# Altium PCB ADCS.PcbDoc (part 2 of 2)
Units mm, origin at the board's own origin, x right, y up, seen from the top; angles counter-clockwise.
Board outline 80 x 80 mm, 2 copper layers (Top Layer, Bottom Layer); 100 components, 89 nets, 454 pads, 285 vias.
Unrouted connection lines stored in the file: 6.
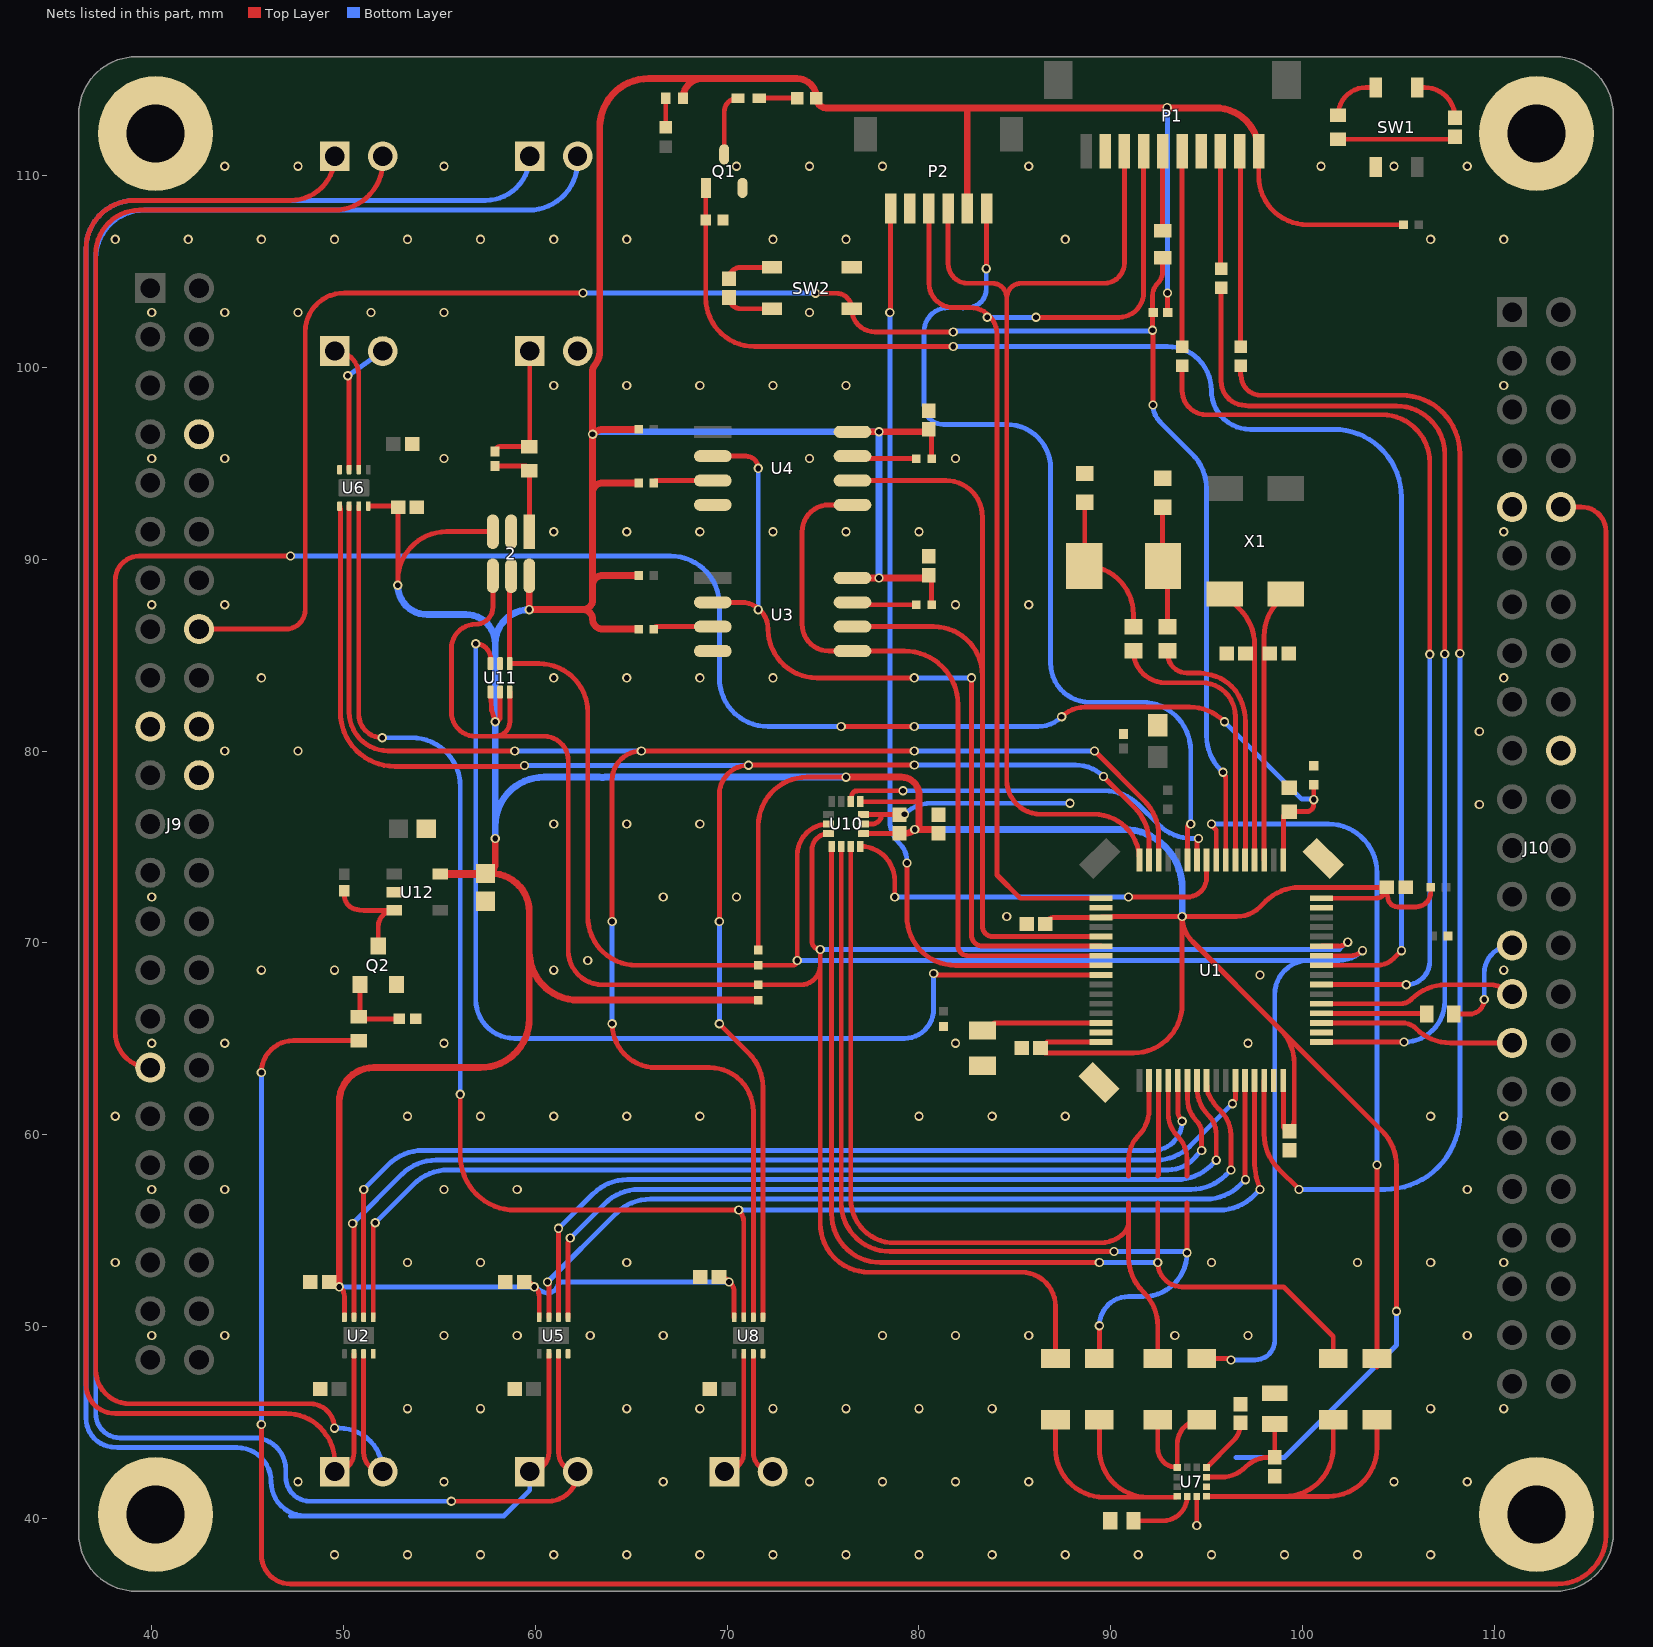
[diagram p2: the nets of this part, all layers, seen from the top]

## Via types
v1: diameter 0.483, hole 0.305, Top Layer to Bottom Layer, tented both sides, 273 vias
v2: diameter 0.5, hole 0.2, Top Layer to Bottom Layer, tented both sides, 8 vias
v3: diameter 0.483, hole 0.305, Top Layer to Bottom Layer, 4 vias

## Nets (pads, with @x,y where several pads share a name; then routed paths per layer and width w, separated by ;. In a path a pad name is that pad's centre, name@x,y a point inside that pad or via, vN(x,y) a via of type N, cw(c..) or ccw(c..) an arc to the next point about the centre after c; other vN are vias at no path point) (continued)
GND: 2.2 C3.2 C4.1 C5.1 C6.2 C7.1 C8.1 C9.1 C10.1 C11.2 C12.1 C13.1 C14.2 C15.2 C17.2 C18.1 C19.2 C20.2 C21.1 C22.2 C23.2 C24.2 C25.1 C26.2 C27.2 C28.2 C30.1 C31.2 C32.2 C33.2 C34.2 C35.2 J7.2 J9.8 J9.19 J9.20 J9.22 J10.9 J10.20 P1.4 P1.9 P2.5 pad.1 pad.2 pad.3 pad.4 pad.6@89.392,62.722 pad.6@101.076,74.406 Q1.2 Q2.2 R18.1 R19.1 R36.1 SW1.1 SW2.2 U1.18 U1.31 U1.47 U1.63 U2.4 U3.4 U4.4 U5.4 U6.4 U7.6 U7.8 U8.4 U10.6 U10.7 U11.2 U12.2 | length 13.6
  Top Layer w0.254: U10.6@77.113,76.2 77.553,76.2 ccw(c77.553,76.7) 78.053,76.7 ; U10.7@77.113,76.7 78.053,76.7 ; C31.2@78.994,76.69 78.994,76.7 78.053,76.7 ; v1(94.488,39.624) 94.484,39.624 U7.6@94.484,41.136 U7.6@94.53,41.196 ; U7.8@94.937,41.602 U7.8@94.997,41.648
  Bottom Layer w0.254: v1(79.248,76.708) cw(c80.628,75.328) 80.628,77.279 v1(87.884,77.279)
  other v1: 49.53,38.1 53.34,38.1 57.15,38.1 60.96,38.1 64.77,38.1 68.58,38.1 72.39,38.1 76.2,38.1 80.01,38.1 83.82,38.1 87.63,38.1 91.44,38.1 95.25,38.1 99.06,38.1 102.87,38.1 106.68,38.1 47.625,41.91 55.245,41.91 66.675,41.91 74.295,41.91 78.105,41.91 81.915,41.91 85.725,41.91 104.775,41.91 108.585,41.91 53.34,45.72 57.15,45.72 64.77,45.72 68.58,45.72 72.39,45.72 76.2,45.72 80.01,45.72 83.82,45.72 106.68,45.72 110.49,45.72 40.005,49.53 43.815,49.53 55.245,49.53 59.055,49.53 62.865,49.53 66.675,49.53 78.105,49.53 81.915,49.53 85.725,49.53 93.345,49.53 97.155,49.53 108.585,49.53 38.1,53.34 53.34,53.34 57.15,53.34 64.77,53.34 95.25,53.34 102.87,53.34 106.68,53.34 110.49,53.34 40.005,57.15 43.815,57.15 55.245,57.15 59.055,57.15 108.585,57.15 38.1,60.96 53.34,60.96 57.15,60.96 60.96,60.96 64.77,60.96 68.58,60.96 80.01,60.96 83.82,60.96 87.63,60.96 106.68,60.96 110.49,60.96 40.005,64.77 43.815,64.77 55.245,64.77 81.915,64.77 97.155,64.77 97.79,68.326 45.72,68.58 49.53,68.58 60.96,68.58 110.49,68.58 62.738,69.088 84.582,71.374 40.005,72.39 66.675,72.39 70.485,72.39 60.96,76.2 64.77,76.2 68.58,76.2 109.22,77.216 43.815,80.01 47.625,80.01 109.22,81.026 45.72,83.82 60.96,83.82 64.77,83.82 68.58,83.82 72.39,83.82 110.49,83.82 40.005,87.63 43.815,87.63 81.915,87.63 85.725,87.63 60.96,91.44 64.77,91.44 68.58,91.44 72.39,91.44 76.2,91.44 80.01,91.44 110.49,91.44 40.005,95.25 43.815,95.25 55.245,95.25 74.295,95.25 81.915,95.25 60.96,99.06 64.77,99.06 68.58,99.06 72.39,99.06 76.2,99.06 110.49,99.06 40.005,102.87 43.815,102.87 47.625,102.87 51.435,102.87 55.245,102.87 74.295,102.87 38.1,106.68 41.91,106.68 45.72,106.68 49.53,106.68 53.34,106.68 57.15,106.68 60.96,106.68 64.77,106.68 72.39,106.68 76.2,106.68 87.63,106.68 106.68,106.68 110.49,106.68 43.815,110.49 47.625,110.49 55.245,110.49 70.485,110.49 74.295,110.49 78.105,110.49 85.725,110.49 100.965,110.49 104.775,110.49 108.585,110.49
GPS_EN: P2.6 U1.24 | length 48.8
  Top Layer w0.254: v1(78.486,102.87) ccw(c78.486,102.91) 78.526,102.91 P2.6@78.526,108.294 ; v1(79.375,74.168) 79.375,71.37 ccw(c81.915,71.37) 81.915,68.83 U1.24@89.5,68.83
  Bottom Layer w0.254: v1(78.486,102.87) 78.486,76.41 ccw(c80.22,76.41) 78.994,75.184 cw(c78.074,74.264) 79.375,74.264 v1(79.375,74.168)
GPS_PPS: P2.1 U1.11 | length 47.5
  Top Layer w0.254: v1(83.513,105.153) 83.526,105.153 P2.1@83.526,108.294 ; U1.11@94,74.33 v1@94,76.029 ; 94,75.968 94.17,76.138 v1(94.17,76.2) ; v1@94,76.029 cw(c94.17,76.029) v1(94.17,76.2) ; v1@94,76.029 cw(c94.17,76.029) v1(94.17,76.2)
  Bottom Layer w0.254: 82.296,103.124 81.534,103.124 ccw(c81.534,101.854) 80.264,101.854 80.264,98.044 ccw(c81.28,98.044) 81.28,97.028 84.582,97.028 cw(c84.582,94.742) 86.868,94.742 86.868,84.582 ccw(c88.9,84.582) 88.9,82.55 91.63,82.55 cw(c91.63,80.01) 94.17,80.01 v1(94.17,76.2) ; 82.298,103.11 cw(c82.55,100.838) 82.55,103.124 ccw(c82.55,104.087) 83.513,104.087 v1(83.513,105.153)
GPS_RST: U1.50
GREEN: Q1.1 R19.2 U1.57 | length 76
  Top Layer w0.254: Q1.1@68.9,109.361 68.889,109.361 R19.2@68.889,107.696 68.889,103.632 ccw(c71.429,103.632) 71.429,101.092 v1(81.788,101.092) ; U1.57@101,68.83 101.004,68.834 103.886,68.834 ccw(c103.886,70.06) 104.753,69.193 v1(105.156,69.596)
  Bottom Layer w0.254: v1(81.788,101.092) 92.964,101.092 cw(c92.964,98.806) 95.25,98.806 ccw(c97.282,98.806) 97.282,96.774 101.627,96.774 cw(c101.627,93.245) 105.156,93.245 v1(105.156,69.596)
INT1: U1.9 U10.4 | length 21.4
  Top Layer w0.254: U10.4@76.95,75.038 cw(c76.95,73.248) 78.74,73.248 v1(78.74,72.39) ; v1(90.932,72.39) 93.98,72.39 ccw(c93.98,73.41) 95,73.41 U1.9@95,74.33 U1.9@94.996,74.33
  Bottom Layer w0.254: v1(78.74,72.39) v1(90.932,72.39)
INT2: U1.10 U10.9 | length 20.4
  Top Layer w0.254: U10.9@76.404,77.47 76.496,77.523 76.496,77.65 cw(c76.775,77.65) 76.774,77.929 77.318,77.934 cw(c77.32,77.68) 77.32,77.934 v1(79.176,77.934) ; U1.10@94.5,74.33 94.506,74.336 94.506,75.311 94.571,75.376 v1(94.571,75.438)
  Bottom Layer w0.254: v1(79.176,77.934) 89.67,77.934 cw(c89.67,75.394) 91.466,77.19 92.474,76.182 ccw(c94.27,77.978) 94.27,75.438 v1(94.571,75.438)
INT/DRY: R30.2 U1.8 | length 47.4
  Top Layer w0.254: v1(95.25,76.2) 95.25,76.138 95.502,75.886 95.502,74.332 U1.8@95.5,74.33 ; R30.2@103.886,47.875 103.886,58.166 ; R30.2@103.886,48.59 v1(103.886,58.42)
  Bottom Layer w0.254: v1(95.25,76.2) 101.346,76.2 cw(c101.346,73.66) 103.886,73.66 v1(103.886,58.42)
MISO: U1.22 U3.2 U4.2 | length 46.3
  Top Layer w0.254: U3.2@69.258,87.757 70.739,87.757 cw(c70.739,86.36) 72.136,86.36 ccw(c74.676,86.36) 74.676,83.82 v3(79.756,83.82) ; U4.2@69.258,95.377 70.993,95.377 cw(c70.993,94.742) v1(71.628,94.742) ; v3(82.74,83.82) 82.74,70.421 ccw(c83.332,70.421) 83.332,69.83 U1.22@89.5,69.83
  Bottom Layer w0.254: v1(71.628,87.376) v1(71.628,94.742) ; v3(79.756,83.82) v3(82.74,83.82)
MISO2: R31.2 U1.35 U10.1 | length 57.8
  Top Layer w0.254: U10.1@75.45,75.038 75.45,55.88 ccw(c77.99,55.88) 77.99,53.34 v1(89.408,53.34) ; 92.456,56.45 v1(92.456,53.34) ccw(c93.726,53.34) 93.726,52.07 99.009,52.07 101.6,49.479 R31.2@101.6,48.336 ; 92.456,57.85 ccw(c92.35,57.956) 92.5,57.956 U1.35@92.5,62.83
  Bottom Layer w0.254: v1(89.408,53.34) v1(92.456,53.34)
MISO3: J10.27 R7.1 | length 5.7
  Top Layer w0.254: R7.1@107.888,66.294 108.712,66.294 ccw(c108.712,67.056) v1(109.474,67.056)
  Bottom Layer w0.254: v1(109.474,67.056) 109.474,68.414 cw(c110.93,68.414) J10.27@110.93,69.87
MOSI: U1.23 U3.5 U4.5 | length 39
  Top Layer w0.254: U3.5@76.454,85.217 75.311,85.217 cw(c75.311,86.614) 73.914,86.614 73.914,91.44 cw(c75.311,91.44) 75.311,92.837 U4.5@76.538,92.837 ; U3.5@76.538,85.217 79.248,85.217 cw(c79.248,82.423) 82.042,82.423 82.042,69.85 ccw(c82.562,69.85) 82.562,69.33 U1.23@89.5,69.33
MOSI2: R37.2 U1.36 U10.2 | length 54.4
  Top Layer w0.254: U10.2@75.95,75.038 75.95,56.451 ccw(c78.49,56.451) 78.49,53.911 v1(90.17,53.911) ; R37.2@89.408,48.336 v1(89.408,50.038) ; U1.36@93,62.83 93,61.084 ccw(c94.612,61.084) 93.472,59.944 cw(c92.246,58.718) 93.98,58.718 93.98,57.85 ; v1(93.98,53.848) 93.98,56.45
  Bottom Layer w0.254: v1(89.408,50.038) cw(c90.932,50.038) 90.932,51.562 91.694,51.562 ccw(c91.694,53.848) v1(93.98,53.848) 93.918,53.848 93.855,53.911 v1(90.17,53.911)
MOSI3: J10.29 U1.53 | length 10.3
  Top Layer w0.254: U1.53@101,66.83 105.118,66.83 ccw(c105.118,67.602) 105.664,67.056 105.682,67.074 cw(c107.478,65.278) 107.478,67.818 109.752,67.818 cw(c109.752,66.152) J10.29@110.93,67.33
NetC1_1: C1.1 SW1.4 | length 2.9
  Top Layer w0.254: SW1.4@105.977,114.597 106.365,114.597 cw(c106.365,113.012) C1.1@107.95,113.012
NetC1_2: C1.2 R5.2 | length 6.2
  Top Layer w0.254: R5.2@101.854,111.897 107.815,111.897 ccw(c107.815,112.032) C1.2@107.95,112.032
NetC2_1: C2.1 SW2.1 | length 2.6
  Top Layer w0.254: C2.1@70.104,104.63 cw(c70.689,104.63) 70.689,105.215 SW2.1@72.347,105.215
NetC2_2: C2.2 SW2.3 | length 2.6
  Top Layer w0.254: C2.2@70.104,103.65 ccw(c70.689,103.65) 70.689,103.065 SW2.3@72.347,103.065
NetC13_2: C13.2 U1.30 | length 6.3
  Top Layer w0.254: C13.2@83.312,65.441 83.537,65.441 83.926,65.83 U1.30@89.5,65.83
NetC14_1: C14.1 R20.2 X2.2 | length 6.4
  Top Layer w0.254: C14.1@92.71,92.722 92.71,89.68 ccw(c92.728,89.68) X2.2@92.728,89.662 cw(c92.728,89.426) 92.964,89.426 R20.2@92.964,86.477
NetC15_1: C15.1 R21.2 X2.1 | length 8.1
  Top Layer w0.254: X2.1@88.628,89.662 88.646,89.662 cw(c88.646,87.122) 91.186,87.122 R21.2@91.186,86.477 ; C15.1@88.646,92.976 88.646,89.902 ccw(c88.899,89.902) X2.1@88.899,89.649
NetC29_1: 2.1 C29.1 R33.1 | length 5.1
  Top Layer w0.254: C29.1@57.912,94.871 59.444,94.871 cw(c59.444,94.625) R33.1@59.69,94.625 2.1@59.69,91.44
NetC29_2: C29.2 J7.1 R33.2 | length 6.9
  Top Layer w0.254: C29.2@57.912,95.629 cw(c58.158,95.629) 58.158,95.875 R33.2@59.69,95.875 ccw(c59.69,95.895) 59.71,95.895 J7.1@59.71,100.855
NetC34_1: C34.1 U7.5 | length 3.5
  Top Layer w0.254: C34.1@91.186,39.878 92.727,39.878 ccw(c92.727,41.136) U7.5@93.985,41.136
NetD1_1: D1.1 Q1.3 | length 3.3
  Top Layer w0.254: Q1.3@69.85,111.111 69.85,113.326 cw(c70.57,113.326) D1.1@70.57,114.046
NetD1_2: D1.2 R17.2 | length 2
  Top Layer w0.254: D1.2@71.67,114.046 R17.2@73.66,114.046
NetD2_1: D2.1 R40.1 | length 1.5
  Top Layer w0.254: R40.1@66.802,112.514 D2.1@66.802,114.046
NetJ1_1: J1.1 J2.1 U2.2 | length 98
  Top Layer w0.254: J2.1@49.441,43.045 cw(c47.789,42.435) J2.1@49.55,42.435 ; J1.1@49.55,111.015 cw(c47.247,111.015) 47.247,108.712 39.116,108.712 ccw(c39.116,106.172) 36.576,106.172 36.576,46.99 ccw(c38.1,46.99) 38.1,45.466 47.01,45.466 cw(c47.01,42.926) 48.963,44.55 cw(c48.767,44.388) 49.002,44.486 ccw(c49.53,44.704) 49.147,44.28 cw(c48.977,44.091) 49.195,44.221 cw(c47.01,42.926) 49.545,43.083 49.55,42.926 J2.1@49.55,42.435 ; U2.2@50.55,48.58 50.55,43.435 cw(c49.55,43.435) J2.1@49.55,42.435
NetJ1_2: J1.2 J2.2 U2.3 | length 100.9
  Top Layer w0.254: v1(49.53,44.704) ccw(c48.26,44.704) 48.26,45.974 38.862,45.974 cw(c38.862,47.752) 37.084,47.752 37.084,105.918 cw(c39.37,105.918) 39.37,108.204 49.51,108.204 ccw(c49.51,110.744) 52.05,110.744 J1.2@52.05,111.015 ; U2.3@51.05,48.58 51.05,43.435 ccw(c52.05,43.435) J2.2@52.05,42.435
  Bottom Layer w0.254: v1(49.53,44.704) 49.781,44.704 cw(c49.781,42.435) J2.2@52.05,42.435
NetJ3_1: J3.1 J4.1 U5.2 | length 121.9
  Top Layer w0.254: J4.1@59.71,42.435 ccw(c59.71,43.435) 60.71,43.435 U5.2@60.71,48.58
  Bottom Layer w0.254: 47.244,40.132 48.006,40.132 ; J4.1@59.71,42.435 59.71,41.472 58.37,40.132 57.422,40.132 48.006,40.132 ; J3.1@59.71,111.015 cw(c57.407,111.015) 57.407,108.712 39.116,108.712 ccw(c39.116,106.172) 36.576,106.172 36.576,45.232 ccw(c38.103,45.232) 38.103,43.706 ccw(c38.354,45.466) 38.354,43.688 44.45,43.688 cw(c44.45,41.91) 46.228,41.91 ccw(c48.006,41.91) 48.006,40.132
NetJ3_2: J3.2 J4.2 U5.3 | length 124
  Top Layer w0.254: v1(55.626,40.894) 60.669,40.894 ccw(c60.669,42.435) J4.2@62.21,42.435 cw(c62.21,43.435) 61.21,43.435 U5.3@61.21,48.58
  Bottom Layer w0.254: v1(55.626,40.894) 48.26,40.894 cw(c48.26,42.164) 46.99,42.164 46.99,42.545 ccw(c45.339,42.545) 45.339,44.196 38.354,44.196 cw(c38.354,45.466) 37.084,45.466 37.084,105.664 cw(c39.624,105.664) 39.624,108.204 59.67,108.204 ccw(c59.67,110.744) 62.21,110.744 J3.2@62.21,111.015
NetJ5_1: J5.1 U6.2 | length 6.9
  Top Layer w0.254: J5.1@49.55,100.855 cw(c49.55,99.609) 50.796,99.609 U6.2@50.796,94.676
NetJ5_2: J5.2 U6.3 | length 7.2
  Top Layer w0.254: v1(50.224,99.568) 50.296,99.568 U6.3@50.296,94.676
  Bottom Layer w0.254: v1(50.224,99.568) J5.2@52.05,100.855
NetJ6_1: J6.1 U8.2 | length 6.7
  Top Layer w0.254: J6.1@69.87,42.435 ccw(c69.87,43.435) 70.87,43.435 U8.2@70.87,48.58
NetJ6_2: J6.2 U8.3 | length 6.7
  Top Layer w0.254: U8.3@71.37,48.58 71.37,43.435 ccw(c72.37,43.435) J6.2@72.37,42.435
NetP1_6: P1.6 R14.1 | length 4.1
  Top Layer w0.254: R14.1@92.71,107.126 92.71,111.267 P1.6@92.718,111.267
NetQ2_1: Q2.1 R35.1 R36.2 | length 3.9
  Top Layer w0.254: Q2.1@50.866,67.834 50.866,66.223 cw(c50.8,66.223) R35.1@50.8,66.157 ccw(c50.917,66.157) 50.917,66.04 R36.2@52.915,66.04
NetQ2_3: Q2.3 R34.1 U12.3 | length 5.6
  Top Layer w0.254: R34.1@50.038,72.727 50.038,72.51 ccw(c50.824,72.51) 50.824,71.724 ccw(c51.071,72.727) 51.071,71.694 U12.3@52.648,71.694 ccw(c52.648,70.862) 51.816,70.862 Q2.3@51.816,69.834
NetR5_1: R5.1 SW1.2 | length 2.8
  Top Layer w0.254: R5.1@101.854,113.147 cw(c103.304,113.147) 103.304,114.597 SW1.2@103.827,114.597
NetR7_2: R7.2 U1.52 | length 5.5
  Top Layer w0.254: U1.52@101,66.33 106.401,66.33 cw(c106.401,66.207) R7.2@106.488,66.294
NetR9_2: R9.2 U1.46 | length 65.6
  Top Layer w0.254: R9.2@96.774,100.084 96.774,99.604 ccw(c96.804,99.604) 96.804,99.575 ccw(c97.826,99.575) 97.826,98.552 105.156,98.552 cw(c105.156,95.504) 108.204,95.504 v1(108.204,85.09) ; U1.46@98,62.83 98,60.024 ccw(c100.54,60.024) 98.744,58.228 v1(99.822,57.15)
  Bottom Layer w0.254: v1(99.822,57.15) 104.302,57.15 ccw(c104.302,61.052) 108.204,61.052 v1(108.204,85.09)
NetR10_2: R10.2 U1.49 | length 54.8
  Top Layer w0.254: R10.2@95.758,104.148 95.758,99.29 ccw(c97.024,99.29) 97.024,98.024 ccw(c97.333,99.568) 97.333,97.993 104.902,97.993 cw(c104.902,95.476) 107.419,95.476 v1(107.419,85.067) ; U1.49@101,64.83 v1(105.288,64.83)
  Bottom Layer w0.254: v1(105.288,64.83) ccw(c105.288,66.961) 107.419,66.961 v1(107.419,85.067)
NetR11_2: R11.2 U1.55 | length 48.7
  Top Layer w0.254: R11.2@93.726,100.084 93.726,98.806 ccw(c94.996,98.806) 94.996,97.536 104.14,97.536 cw(c104.14,95.042) 106.634,95.042 v1(106.634,85.044) ; U1.55@101,67.83 101.006,67.824 105.404,67.824 v1(105.41,67.818)
  Bottom Layer w0.254: v1(105.41,67.818) ccw(c105.41,69.042) 106.634,69.042 v1(106.634,85.044)
NetR24_2: R24.2 U3.3 | length 3.1
  Top Layer w0.254: R24.2@66.186,86.36 cw(c66.313,86.36) 66.313,86.487 U3.3@69.258,86.487
NetR25_2: R25.2 U3.7 | length 3.5
  Top Layer w0.254: U3.7@76.665,87.757 U3.7@76.538,87.757 ccw(c76.665,87.757) 76.665,87.63 R25.2@79.864,87.63
NetR28_2: R28.2 U4.3 | length 3.1
  Top Layer w0.254: R28.2@66.186,93.98 cw(c66.313,93.98) 66.313,94.107 U4.3@69.258,94.107
NetR29_2: R29.2 U4.7 | length 3.4
  Top Layer w0.254: U4.7@76.538,95.377 ccw(c76.665,95.377) 76.665,95.25 R29.2@79.864,95.25
NetR30_1: R30.1 R31.1 U7.7 | length 17.2
  Top Layer w0.254: U7.7@94.997,41.148 101.346,41.148 ccw(c101.346,43.688) 103.886,43.688 R30.1@103.886,45.136 ; 99.06,41.148 ccw(c99.06,43.688) 101.6,43.688 R31.1@101.6,45.136
NetR32_1: R32.1 R39.1 U7.1 | length 6.3
  Top Layer w0.254: R39.1@92.456,45.136 92.456,43.664 ccw(c93.472,43.664) U7.1@93.472,42.648 93.472,43.866 cw(c94.742,43.866) R32.1@94.742,45.136
NetR37_1: R37.1 R38.1 U7.4 | length 15.1
  Top Layer w0.254: R38.1@87.122,45.136 87.122,43.64 ccw(c89.662,43.64) 89.662,41.1 92.202,41.1 ; R37.1@89.408,45.136 89.408,43.64 ccw(c91.948,43.64) 91.948,41.1 92.202,41.1 ; U7.4@93.472,41.148 93.411,41.1 92.202,41.1
NRST: J9.16 R12.2 R14.2 SW2.4 U1.7 | length 99.9
  Top Layer w0.254: J9.16@42.47,86.36 46.99,86.36 ccw(c46.99,87.376) 48.006,87.376 48.006,101.854 cw(c50.038,101.854) 50.038,103.886 v1(62.484,103.886) ; v1(74.61,103.874) 75.688,103.874 cw(c75.688,103.065) SW2.4@76.497,103.065 ccw(c77.708,103.065) 77.708,101.854 v1(81.788,101.854) ; v1(92.178,101.939) 92.178,103.722 cw(c93.128,103.722) 92.456,104.394 ccw(c91.843,105.007) 92.71,105.007 R14.2@92.71,105.726 ; v1(92.202,98.044) v1@92.202,101.939 ; v1(95.854,78.898) cw(c95.502,78.546) 96,78.546 U1.7@96,74.33
  Bottom Layer w0.254: v1(62.484,103.886) 74.61,103.886 v1(74.61,103.874) ; v1(81.788,101.854) 81.83,101.896 92.135,101.896 v1(92.178,101.939) ; v1(92.202,98.044) ccw(c93.428,98.044) 92.561,97.177 94.252,95.486 cw(c92.456,93.69) 94.996,93.69 94.996,80.808 ccw(c97.536,80.808) 95.74,79.012 v1(95.854,78.898)
OSC32IN: C3.1 U1.3 X1.1 | length 14.2
  Top Layer w0.254: U1.3@98,74.33 98,85.994 cw(c100.54,85.994) 98.744,87.79 X1.1@99.136,88.182
OSC32OUT: C6.1 U1.4 X1.4 | length 14.4
  Top Layer w0.254: X1.4@95.936,88.182 96.756,87.362 cw(c94.96,85.566) 97.5,85.566 U1.4@97.5,74.33
OSC_IN: R20.1 U1.5 | length 13.5
  Top Layer w0.254: R20.1@92.964,85.227 92.964,85.09 ccw(c93.98,85.09) 93.98,84.074 94.488,84.074 cw(c94.488,81.534) 95.069,84.007 95.248,83.965 cw(c94.742,81.808) 96.854,82.476 96.91,82.3 cw(c94.488,81.534) 97.028,81.534 97.028,81.026 97.02,74.93 97.02,74.803 U1.5@97,74.33
OSC_OUT: R21.1 U1.6 | length 14.7
  Top Layer w0.254: R21.1@91.186,85.227 ccw(c92.847,85.227) 92.847,83.566 94.742,83.566 cw(c94.742,81.808) 96.5,81.808 U1.6@96.5,74.33
RX: P1.7 P2.4 U1.17 | length 59.3
  Top Layer w0.254: P2.4@80.526,108.294 80.526,104.386 ccw(c81.788,104.386) 81.788,103.124 82.66,103.124 cw(c82.66,101.71) 84.074,101.71 84.074,73.542 85.286,72.33 86.683,72.33 U1.17@89.5,72.33 ; v1(86.106,102.616) 90.424,102.616 ccw(c90.424,103.91) 91.718,103.91 P1.7@91.718,111.267
  Bottom Layer w0.254: v1(83.566,102.616) v1(86.106,102.616)
SCK: U1.21 U3.6 U4.6 | length 43.9
  Top Layer w0.254: U3.6@76.538,86.487 80.772,86.487 cw(c80.772,83.947) 83.312,83.947 ; U4.6@76.538,94.107 81.407,94.107 cw(c81.407,92.202) 83.312,92.202 83.312,83.947 ; U1.21@89.5,70.33 83.848,70.33 cw(c83.848,70.866) 83.312,70.866 83.312,83.947
SCK2: R39.2 U1.34 U10.3 | length 48.5
  Top Layer w0.254: U10.3@76.45,75.038 76.45,56.642 ccw(c78.736,56.642) 78.495,54.369 89.482,54.369 ccw(c89.482,56.06) 89.903,54.422 ccw(c89.839,54.668) 89.94,54.434 cw(c90.17,53.911) 90.054,54.471 ccw(c90.001,54.719) 90.091,54.482 ccw(c89.482,56.06) 90.678,54.864 ccw(c90.065,55.477) 90.932,55.477 ; 90.932,56.45 90.932,55.477 ; 90.932,57.85 90.932,58.718 cw(c92.666,58.718) 91.44,59.944 ccw(c90.088,61.296) 92,61.296 U1.34@92,62.83 ; R39.2@92.456,48.336 92.456,50.002 ccw(c89.916,50.002) 91.712,51.798 91.676,51.834 cw(c93.472,53.63) 90.932,53.63 90.932,55.477
SCK3: J10.31 U1.51 | length 10.2
  Top Layer w0.254: U1.51@101,65.83 105.199,65.83 cw(c105.199,64.813) 105.918,65.532 ccw(c107.709,67.323) 107.709,64.79 J10.31@110.93,64.79
SCL: 2.5 R22.1 R32.2 U1.58 U10.13 U11.1 | length 98.4
  Top Layer w0.254: 2.5@58.74,89.139 ccw(c58.74,89.065) 58.666,89.065 U11.1@58.666,84.56 60.198,84.56 cw(c60.198,82.02) 62.738,82.02 62.738,71.374 ccw(c65.278,71.374) 65.278,68.834 R22.1@71.628,68.834 73.406,68.834 ccw(c73.406,69.088) v1(73.66,69.088) 73.66,74.573 cw(c75.287,74.573) U10.13@75.287,76.2 ; R32.2@94.742,48.336 96.128,48.336 96.204,48.26 v1(96.266,48.26) ; U1.58@101,69.33 102.482,69.33 ccw(c102.482,70.238) v1(103.124,69.596)
  Bottom Layer w0.254: v1(73.66,69.088) 100.33,69.088 ; v1(96.266,48.26) 97.536,48.26 ccw(c97.536,49.276) 98.552,49.276 98.552,67.31 cw(c100.33,67.31) 100.33,69.088 ; v1(103.124,69.596) cw(c101.898,70.822) 101.898,69.088 100.33,69.088
SDA: 2.4 R23.1 R38.2 U1.59 U10.14 U11.6 | length 111
  Top Layer w0.254: 2.4@57.79,89.139 57.79,87.508 cw(c56.896,87.508) 56.896,86.614 ccw(c56.896,85.344) 55.626,85.344 55.626,82.042 ccw(c56.896,82.042) 56.896,80.772 57.912,80.772 ; U11.6@58.666,83.08 58.674,83.08 58.674,81.534 cw(c57.912,81.534) 57.912,80.772 ; U10.14@75.127,75.688 U10.14@75.163,75.691 ; R38.2@87.122,48.336 87.122,51.054 ccw(c85.344,51.054) 85.344,52.832 77.399,52.832 cw(c77.399,55.372) 74.859,55.372 74.859,68.834 ; U1.59@101,69.83 101.854,69.83 ccw(c101.854,70.549) v1(102.362,70.04) ; 57.912,80.772 60.452,80.772 cw(c60.452,79.502) 61.722,79.502 61.722,69.596 ccw(c63.5,69.596) 63.5,67.818 R23.1@71.628,67.818 73.843,67.818 ccw(c73.843,68.834) 74.859,68.834 ; 74.859,68.834 v1(74.859,69.659) cw(c74.859,70.097) 74.422,70.097 74.422,74.835 cw(c75.287,74.835) U10.14@75.163,75.691 ; U10.14@75.163,75.691 cw(c75.287,74.835) U10.14@75.287,75.7 U10.14@75.163,75.691
  Bottom Layer w0.254: v1(74.859,69.659) 101.919,69.659 102.3,70.04 v1(102.362,70.04)
SHTDWN: J10.10 R35.2 | length 159
  Top Layer w0.254: v1(45.72,44.895) 45.72,38.1 ccw(c47.244,38.1) 47.244,36.576 113.284,36.576 ccw(c113.284,39.116) 115.824,39.116 115.824,91.44 ccw(c114.534,91.44) 114.534,92.73 J10.10@113.47,92.73 ; v1(45.72,63.246) cw(c47.381,63.246) 47.381,64.907 R35.2@50.8,64.907
  Bottom Layer w0.254: v1(45.72,44.895) v1(45.72,63.246)
SWCLK: P1.3 R10.1 | length 6.1
  Top Layer w0.254: P1.3@95.718,111.267 95.718,105.188 ccw(c95.758,105.188) R10.1@95.758,105.148
SWDIO: P1.2 R9.1 | length 10.2
  Top Layer w0.254: P1.2@96.718,111.267 cw(c96.718,111.211) 96.774,111.211 R9.1@96.774,101.084
SWO: P1.5 R11.1 | length 10.2
  Top Layer w0.254: P1.5@93.718,111.267 93.726,111.267 R11.1@93.726,101.084
T_ALRT1: U1.25 U11.3 | length 56.7
  Top Layer w0.254: v1(56.896,85.598) cw(c56.896,84.828) 57.666,84.828 U11.3@57.666,84.56 U11.3@57.666,84.745 ; v1(80.769,68.401) 80.831,68.401 80.902,68.33 U1.25@89.5,68.33
  Bottom Layer w0.254: v1(56.896,85.598) 56.896,67.049 ccw(c58.921,67.049) 58.921,65.024 79.245,65.024 ccw(c79.245,66.548) 80.769,66.548 v1(80.769,68.401)
TX: P1.8 P2.3 U1.16 | length 54.4
  Top Layer w0.254: P2.3@81.526,108.294 81.526,105.41 ccw(c82.542,105.41) 82.542,104.394 83.82,104.394 cw(c83.82,103.632) 84.582,103.632 ; P1.8@90.718,111.267 90.718,105.45 cw(c89.662,105.45) 89.662,104.394 85.344,104.394 ccw(c85.344,103.632) 84.582,103.632 ; U1.16@91.5,74.33 ccw(c89.122,74.33) 89.122,76.708 86.36,76.708 cw(c86.36,78.486) 84.582,78.486 84.582,103.632
VBAT: C11.1 C12.2 J9.33 U1.1 | length 103.7
  Top Layer w0.254: J9.33@39.93,63.5 cw(c39.93,65.33) 38.1,65.33 38.1,88.9 cw(c39.37,88.9) 39.37,90.17 v1(47.244,90.17) ; v1(75.946,81.28) v1(79.756,81.28) ; v1(87.443,81.789) cw(c88.668,80.564) 88.668,82.296 94.114,82.296 cw(c94.114,79.756) 95.91,81.552 v1(95.928,81.533) ; U1.1@99,74.33 99,76.529 cw(c99.314,76.529) C11.1@99.314,76.843 100.211,76.843 ccw(c100.211,77.216) 100.584,77.216 v1(100.584,77.47) C12.2@100.584,78.24
  Bottom Layer w0.254: v1(47.244,90.17) 67.056,90.17 cw(c67.056,87.63) 69.596,87.63 69.596,83.82 ccw(c72.136,83.82) 72.136,81.28 v1(75.946,81.28) ; v1(79.756,81.28) 86.216,81.28 ccw(c86.216,83.017) v1(87.443,81.789) ; v1(95.928,81.533) 99.962,77.5 100.554,77.5 v1(100.584,77.47)
VDD: 2.3 2.6 C4.2 C5.2 C7.2 C8.2 C17.1 C18.2 C19.1 C21.2 C22.1 C24.1 C25.2 C27.1 C30.2 C31.1 C33.1 C35.1 D2.2 P1.1 P2.2 R1.2 R6.2 R12.1 R17.1 R22.2 R23.2 R24.1 R25.1 R26.1 R27.1 R28.1 R29.1 R43.2 U1.19 U1.32 U1.48 U1.64 U2.8 U3.8 U4.8 U5.8 U6.8 U7.9 U7.10 U8.8 U10.5 U10.8 U11.4 U11.5 U12.5 | length 414.4
  Top Layer w0.254: C22.1@49.258,52.324 cw(c49.258,51.532) 49.784,52.124 cw(c49.258,51.532) 50.05,51.532 U2.8@50.05,50.48 ; U6.8@51.296,92.776 52.784,92.776 cw(c52.784,92.71) C24.1@52.85,92.71 52.85,89.202 ; U11.4@57.666,83.079 57.677,82.872 57.715,82.178 ccw(c57.969,82.192) 57.727,82.115 57.897,81.581 v1(57.912,81.534) ; 2.3@57.79,91.44 55.372,91.44 ccw(c55.372,88.9) 52.85,89.202 ; v1@57.873,81.573 ccw(c57.912,81.573) v1(57.912,81.534) ; v1@57.905,81.579 v1(57.912,81.534) ; U11.5@58.166,83.08 58.166,81.788 ; C19.1@59.418,52.324 cw(c59.418,51.532) 60.21,51.532 U5.8@60.21,50.48 ; C27.1@69.578,52.578 cw(c69.578,51.786) 70.37,51.786 U8.8@70.37,50.48 ; R22.2@71.628,69.634 71.628,76.102 cw(c74.168,76.102) 74.168,78.642 v1(76.197,78.642) ; U10.8@76.95,77.362 79.75,77.362 ccw(c79.75,77.73) 80.01,77.47 ; U10.5@77.113,75.7 78.994,75.7 C31.1@78.994,75.692 ; C18.2@80.518,89.172 cw(c80.518,89.026) 80.664,89.026 R25.1@80.664,87.63 ; C21.2@80.518,96.774 cw(c80.518,96.628) 80.664,96.628 R29.1@80.664,95.25 ; C5.2@86.342,64.516 C5.2@86.362,64.516 ; C4.2@86.386,71.12 86.596,71.12 cw(c87.103,70.613) 87.103,71.33 U1.19@89.5,71.33 89.523,71.353 90.093,71.353 90.114,71.374 v1(93.726,71.374) ; U1.32@89.95,64.83 U1.32@89.5,64.83 86.676,64.83 C5.2@86.362,64.516 ; R12.1@92.964,102.87 v1(92.964,103.886) ; U7.9@94.997,42.148 95.763,42.148 ccw(c95.763,43.937) 97.028,42.672 cw(c98.254,41.446) 98.254,43.18 C25.2@98.552,43.18 C17.1@98.552,44.92 ; U7.10@94.997,42.648 96.384,44.035 ccw(c95.444,44.976) C30.2@96.774,44.976 ; P1.1@97.718,111.267 97.718,109.982 ccw(c100.258,109.982) 100.258,107.442 R1.2@105.264,107.442 ; U1.48@99,62.83 99,60.494 ccw(c99.314,60.494) C7.2@99.314,60.18 ccw(c98.701,60.793) 99.568,60.793 99.568,63.718 ccw(c97.028,63.718) 98.824,65.514 ; U1.64@101,72.33 103.826,72.33 ccw(c103.826,72.898) C8.2@104.394,72.898 ; v1(104.902,50.8) 104.902,58.384 ccw(c102.362,58.384) 104.158,60.18 98.824,65.514 ; R43.2@106.683,72.898 106.683,72.647 cw(c105.918,72.647) 105.918,71.882 105.41,71.882 104.971,71.882 cw(c104.971,72.409) 104.444,72.409 cw(c105.164,72.682) 104.394,72.682 C8.2@104.394,72.898 ; v1(52.832,88.646) ccw(c52.832,88.664) v1@52.85,88.664 ; v1(52.832,88.646) 52.832,88.9 cw(c55.372,88.9) 52.85,89.202 ; v1(52.832,88.646) v1@52.85,88.664 ; v1@52.85,88.664 52.85,89.202 ; v1(57.912,81.534) ccw(c57.912,81.788) 58.166,81.788 ; v1(57.912,81.534) ccw(c57.912,81.788) 58.166,81.788 ; C5.2@86.362,64.516 ccw(c86.616,64.516) 86.616,64.262 91.186,64.262 ccw(c91.186,66.802) 93.726,66.802 v1(93.726,71.374) ; v1(93.726,71.374) ccw(c95.566,71.374) 94.265,70.073 98.824,65.514 ; v1(93.726,71.374) 96.564,71.374 ccw(c96.564,73.108) 97.79,71.882 98.062,72.154 cw(c99.858,70.358) 99.858,72.898 C8.2@104.394,72.898
  Top Layer w0.356: v1(49.784,52.07) 49.784,52.124 49.784,61.722 cw(c51.562,61.722) 51.562,63.5 57.15,63.5 ccw(c57.15,66.04) 59.69,66.04 59.69,69.558 ; v1(57.912,75.438) 57.912,74.132 cw(c57.404,74.132) C33.1@57.404,73.624 57.694,73.624 cw(c57.694,71.628) 59.69,71.628 59.69,69.558 ; 2.6@59.69,89.139 v1(59.69,87.376) 62.484,87.376 ; R24.1@65.386,86.36 63.5,86.36 cw(c63.5,86.868) 62.992,86.868 ccw(c62.484,86.868) 62.484,87.376 ; R26.1@65.386,89.154 63.5,89.154 ccw(c63.5,88.646) 62.992,88.646 ; R28.1@65.386,93.98 63.5,93.98 ccw(c63.5,93.472) 62.992,93.472 ; R27.1@65.386,96.774 63.5,96.774 ccw(c63.5,96.266) 62.992,96.266 ; D2.2@67.702,114.046 cw(c68.718,114.046) 68.718,115.062 ; R23.2@71.628,67.018 62.23,67.018 cw(c62.23,69.558) 59.69,69.558 ; v1@76.232,78.642 77.372,78.642 ; U3.8@76.538,89.027 80.373,89.027 ccw(c80.373,89.172) C18.2@80.518,89.172 ; U4.8@76.538,96.647 v1(77.915,96.647) 80.391,96.647 ccw(c80.391,96.774) C21.2@80.518,96.774 ; 77.47,78.642 79.092,78.642 cw(c79.092,77.724) 80.01,77.724 80.01,77.47 80.01,76.146 cw(c79.783,76.146) v1(79.783,75.919) ; C31.1@79.13,75.71 79.266,75.71 ccw(c79.266,76.454) v1(79.783,75.919) ; C35.1@81.026,75.71 81.026,75.73 80.844,75.912 80.824,75.912 80.817,75.919 v1(79.783,75.919) ; P2.2@82.526,108.294 82.526,113.535 ; 89.365,113.535 82.526,113.535 ; 89.366,113.536 95.449,113.536 cw(c95.449,111.267) P1.1@97.718,111.267 ; 62.484,87.376 ccw(c62.484,87.884) 62.992,87.884 62.992,88.646 ; 62.992,88.646 62.992,93.472 ; 62.992,93.472 62.992,96.266 ; 62.992,96.266 v1(62.992,96.52) 62.992,99.861 cw(c63.348,99.86) 63.079,100.093 ccw(c62.21,100.855) 63.366,100.836 ccw(c62.21,100.855) 63.366,100.872 cw(c63.721,100.877) 63.366,100.877 63.366,110.995 cw(c63.721,110.993) 63.366,110.997 ccw(c62.21,111.015) 63.366,111.033 cw(c63.721,111.037) 63.366,111.035 63.366,112.522 cw(c65.906,112.522) 65.906,115.062 68.718,115.062 ; 68.718,115.062 73.644,115.062 cw(c73.644,114.046) R17.1@74.66,114.046 ccw(c75.171,114.046) 75.171,113.535 82.526,113.535
  Top Layer w0.406: U12.5@55.048,73.594 57.374,73.594 ccw(c57.374,73.624) C33.1@57.404,73.624
  Bottom Layer w0.254: v1(49.784,52.07) v1(59.944,52.07) 60.348,51.832 ccw(c60.638,52.324) 61.183,52.149 cw(c61.424,52.07) 61.424,52.324 v1(70.104,52.324) ; v1(92.942,113.546) cw(c92.89,113.493) 92.964,113.493 v1(92.964,103.886) ; 96.52,43.18 99.06,43.18 104.902,49.022 v1(104.902,50.8)
  Bottom Layer w0.356: v1(52.832,88.646) ccw(c54.356,88.646) 54.356,87.122 56.388,87.122 cw(c56.388,85.598) 57.912,85.598 ; v1(57.912,75.438) 57.912,76.102 ; v1(59.69,87.376) ccw(c59.69,85.598) 57.912,85.598 ; v1(62.992,96.52) cw(c63.119,96.52) 63.119,96.647 v1(77.915,96.647) v1(77.915,89.024) ; v1(76.197,78.642) 63.643,78.642 cw(c63.5,79.248) 63.357,78.642 60.452,78.642 ccw(c60.452,76.102) 57.912,76.102 ; v1(79.783,75.919) 90.678,75.919 cw(c90.678,72.871) 93.726,72.871 v1(93.726,71.374) ; 57.912,76.102 v1(57.912,81.534) 57.912,85.598
XIN1: U1.37 U2.6 | length 53.1
  Top Layer w0.254: U2.6@51.05,50.48 51.052,50.482 51.052,57.148 v1(51.054,57.15) ; U1.37@93.5,62.83 93.5,61.252 ccw(c94.272,61.252) v1(93.726,60.706)
  Bottom Layer w0.254: v1(51.054,57.15) 52.342,58.438 cw(c54.138,56.642) 54.138,59.182 92.202,59.182 ccw(c92.202,60.706) v1(93.726,60.706)
XIN2: U1.38 U2.5 | length 53.3
  Top Layer w0.254: U2.5@51.55,50.48 51.55,55.241 51.658,55.349 v1(51.658,55.411) ; U1.38@94,62.83 94,61.884 ccw(c95.666,61.884) 94.488,60.706 cw(c93.875,60.093) 94.742,60.093 v1(94.742,59.182)
  Bottom Layer w0.254: v1(51.658,55.411) 53.669,57.422 cw(c55.465,55.626) 55.465,58.166 92.979,58.166 ccw(c92.979,60.031) 94.47,58.91 v1(94.742,59.182)
XnSLEEP: U1.43 U2.7 | length 54.8
  Top Layer w0.254: v1(50.478,55.372) 50.478,55.31 50.55,55.239 U2.7@50.55,50.48 ; U1.43@96.5,62.83 96.5,61.989 ; 96.5,61.989 cw(c95.972,61.989) v1(96.345,61.616) 96.345,61.678 96.5,61.832 96.5,61.989
  Bottom Layer w0.254: v1(50.478,55.372) 53.037,57.93 cw(c54.833,56.134) 54.833,58.674 92.351,58.674 ccw(c92.351,61.214) 94.147,59.418 v1(96.345,61.616)
YIN1: U1.39 U5.6 | length 44.9
  Top Layer w0.254: U5.6@61.21,50.48 61.214,50.484 v1(61.214,55.118) ; U1.39@94.5,62.83 94.5,62.432 ccw(c96.483,62.432) 95.081,61.03 ; 95.244,60.851 cw(c97.04,62.647) 95.081,61.03 ; v1(95.504,58.674) 95.504,60.009 ccw(c94.059,60.009) 95.081,61.03
  Bottom Layer w0.254: v1(61.214,55.118) 63.01,56.914 cw(c64.806,55.118) 64.806,57.658 93.436,57.658 ccw(c93.436,60.198) 95.232,58.402 v1(95.504,58.674)
YIN2: U1.40 U5.5 | length 45.2
  Top Layer w0.254: U5.5@61.71,50.48 61.71,54.334 ; U1.40@95,62.83 95.023,62.357 95.081,62.153 ccw(c95.35,62.23) 95.108,62.091 95.274,61.801 ccw(c97.071,62.83) 95.607,61.365 95.758,61.214 cw(c94.532,59.988) 96.266,59.988 v1(96.266,58.166) ; 61.71,54.334 cw(c62.1,54.334) v1(61.824,54.61) ccw(c62.1,54.334) 61.71,54.334
  Bottom Layer w0.254: v1(61.824,54.61) 63.62,56.406 cw(c65.416,54.61) 65.416,57.15 94.198,57.15 ccw(c94.198,59.69) 95.994,57.894 ; 95.98,57.88 95.994,57.894 ; v1(96.266,58.166) 95.994,57.894
YnSLEEP: U1.44 U5.7 | length 45.6
  Top Layer w0.254: v1@60.638,52.151 v1(60.638,52.324) cw(c60.466,52.151) 60.71,52.151 U5.7@60.71,50.48 ; U1.44@97.023,62.807 U1.44@97,62.83 97,57.726 ccw(c97.096,57.726) v1(97.028,57.658)
  Bottom Layer w0.254: v1(60.638,52.324) 64.213,55.898 cw(c66.009,54.102) 66.009,56.642 94.96,56.642 ccw(c94.96,59.182) 96.756,57.386 v1(97.028,57.658)
ZIN1: U1.14 U6.6 U8.6 | length 93.5
  Top Layer w0.254: U6.6@50.296,92.776 50.296,82.042 ccw(c52.328,82.042) 52.328,80.01 v1(58.928,80.01) ; v1(64.008,65.786) ccw(c66.294,65.786) 66.294,63.5 69.084,63.5 cw(c69.084,61.214) 71.37,61.214 U8.6@71.37,50.48 ; v1(64.008,71.12) 64.008,78.486 cw(c65.532,78.486) v1(65.532,80.01) v1(79.756,80.01) ; v1(89.154,80.01) 91.756,77.408 cw(c89.96,75.612) 92.5,75.612 U1.14@92.5,74.33
  Bottom Layer w0.254: v1(58.928,80.01) v1(65.532,80.01) ; v1(64.008,65.786) v1(64.008,71.12) ; v1(79.756,80.01) v1(89.154,80.01)
ZIN2: U1.15 U6.5 U8.5 | length 88
  Top Layer w0.254: U6.5@49.796,92.776 cw(c49.585,92.635) 49.839,92.635 49.839,82.042 ccw(c52.677,82.042) 52.677,79.204 59.392,79.204 v1(59.436,79.248) ; v1(69.596,65.786) 71.126,64.256 cw(c69.33,62.46) 71.87,62.46 U8.5@71.87,50.48 ; v1(69.596,71.12) 69.596,77.741 cw(c71.12,77.741) v1(71.12,79.265) 71.127,79.272 79.757,79.272 v1(79.764,79.279) ; v1(89.624,78.671) 91.256,77.04 cw(c89.46,75.243) 92,75.243 U1.15@92,74.33
  Bottom Layer w0.254: v1(59.436,79.248) 59.444,79.256 71.112,79.256 v1(71.12,79.265) ; v1(69.596,65.786) v1(69.596,71.12) ; v1(79.764,79.279) 88.157,79.279 cw(c88.157,77.204) v1(89.624,78.671)
ZnSLEEP: U1.45 U6.7 U8.7 | length 93.1
  Top Layer w0.254: U6.7@50.796,92.776 50.796,81.928 ccw(c52.025,81.928) v1(52.025,80.699) ; v1(56.09,62.106) 56.09,58.928 ccw(c58.952,58.928) 58.952,56.066 70.608,56.066 v1@70.644,56.102 ; v1@70.612,56.009 v1(70.612,56.07) cw(c69.989,55.448) 70.87,55.448 U8.7@70.87,50.48 ; 97.5,58.419 97.584,57.806 ccw(c97.836,57.841) 97.594,57.764 v1(97.79,57.15) ; 97.5,58.42 U1.45@97.5,62.83
  Bottom Layer w0.254: v1(52.025,80.699) 53.55,80.699 cw(c53.55,78.159) 56.09,78.159 v1(56.09,62.106) ; v1(70.612,56.07) 95.658,56.07 ccw(c95.658,58.61) 97.454,56.814 v1(97.79,57.15) 97.518,56.878
pads on no net: J9.1 J9.2 J9.3 J9.4 J9.5 J9.7 J9.10 J9.11 J9.12 J9.13 J9.14 J9.15 J9.17 J9.18 J9.21 J9.23 J9.25 J9.27 J9.28 J9.29 J9.30 J9.31 J9.32 J9.34 J9.35 J9.36 J9.37 J9.38 J9.39 J9.40 J9.41 J9.42 J9.43 J9.44 J9.45 J9.46 J10.1 J10.2 J10.3 J10.4 J10.5 J10.6 J10.7 J10.8 J10.11 J10.12 J10.13 J10.14 J10.15 J10.16 J10.17 J10.18 J10.19 J10.21 J10.23 J10.24 J10.25 J10.26 J10.28 J10.30 J10.33 J10.34 J10.35 J10.36 J10.37 J10.38 J10.39 J10.40 J10.41 J10.42 J10.43 J10.44 J10.45 J10.46 P1.MP1 P1.MP2 P2.MP1 P2.MP2 U1.28 U1.41 U1.42 U1.54 U1.61 U1.62 U2.9 U5.9 U6.9 U7.2 U7.11 U7.12 U8.9 U10.10 U10.11 U12.4 X1.2 X1.3
copper on no net:
  other v2: 50.25,49.53 51.35,49.53 60.41,49.53 61.51,49.53 70.57,49.53 71.67,49.53 49.996,93.726 51.096,93.726

## Polygon pours and split planes (outlines as drawn)
GND on Top Layer "GND_L01_P001" (solid, remove dead copper, pour order 1): 39.37,36.83 cw(c39.37,39.37) 36.83,39.37 36.83,113.03 cw(c39.37,113.03) 39.37,115.57 113.03,115.57 cw(c113.03,113.03) 115.57,113.03 115.57,39.37 cw(c113.03,39.37) 113.03,36.83 112.268,36.83
+5 on Top Layer "+5_L01_P000" (solid, remove dead copper, pour order 0): 41.148,76.962 cw(c41.656,76.962) 41.656,77.47 53.086,77.47 cw(c53.086,76.962) 53.594,76.962 53.594,73.66 cw(c53.086,73.66) 53.086,73.152 44.45,73.152 ccw(c44.45,72.644) 43.942,72.644 cw(c43.434,72.644) 43.434,72.136 41.656,72.136 cw(c41.656,72.644) 41.148,72.644
GND on Bottom Layer "GND_L02_P002" (solid, remove dead copper, pour order 2): 39.37,36.83 cw(c39.37,39.37) 36.83,39.37 36.83,113.03 cw(c39.37,113.03) 39.37,115.57 113.03,115.57 cw(c113.03,113.03) 115.57,113.03 115.57,39.37 cw(c113.03,39.37) 113.03,36.83 111.252,36.83

## Silkscreen, mask and mechanical layers (free items; w line width, h text height)
Top Overlay:
  circle w0.127: c113.47,77.49 r1.046
  circle w0.127: c110.93,69.87 r1.046
  circle w0.127: c110.93,67.33 r1.046
  circle w0.127: c110.93,64.79 r1.046
  text "Y" at 65.786,113.538 h1.52 r180
  text "X" at 55.626,113.284 h1.52 r180
  text "▲TOP" at 114.808,108.966 h2.03 r180
  text "RST" at 75.946,107.188 h1.52 r180
  text "GPS EN" at 77.978,107.188 h1.52 r270
  text "GND" at 78.994,107.188 h1.52 r270
  text "RX" at 80.01,107.188 h1.52 r270
  text "TX" at 81.026,107.188 h1.52 r270
  text "3V3" at 82.042,107.188 h1.52 r270
  text "GPS PPS" at 83.058,107.188 h1.52 r270
  text "MAGNETORQUERS/RW" at 63.246,106.351 h1.52 r180
  text "Z1" at 56.134,103.124 h1.52 r180
  text "DAC" at 67.818,103.124 h1.52 r180
  text "V1.1" at 106.629,100.914 h1.02 r180
  text "EduSat - ADCS" at 106.68,99.314 h1.52 r180
  text "DAC" at 61.468,92.964 h1.52 r270
  text "Flash2" at 74.93,91.694 h1.52 r180
  text "Flash1" at 74.93,84.074 h1.52 r180
  text "IMU" at 77.216,73.406 h1.52 r180
  text "MISO" at 109.474,69.088 h1.52 r90
  text "MOSI" at 109.474,65.532 h1.52 r90
  text "SCK" at 109.474,62.484 h1.52 r90
  text "I2C" at 86.63,47.752 h1.52 r270
  text "SPI" at 88.916,47.752 h1.52 r270
  text "SPI" at 91.964,47.752 h1.52 r270
  text "I2C" at 94.25,47.752 h1.52 r270
  text "SPI" at 101.092,47.752 h1.52 r270
  text "I2C" at 103.378,47.752 h1.52 r270
  text "MAG" at 95.758,39.878 h1.52 r180
  text "X" at 45.974,39.116 h1.52
  text "Y" at 56.134,39.116 h1.52
  text "Z2" at 65.532,39.116 h1.52
  text "Attitude Determination and Control System" at 56.566,36.838 h1.02
Mechanical 1:
  the board outline again, w0.1